# Altium PCB LimeNet-Micro_2v1.PcbDoc (part 7 of 11)
Units mm, origin at the board's own origin, x right, y up, seen from the top; angles counter-clockwise.
Board outline 75 x 143 mm, 6 copper layers (Top, L2, L3, L4, L5, Bottom), stack 1.583 mm thick; 795 components, 565 nets, 3646 pads, 1420 vias.
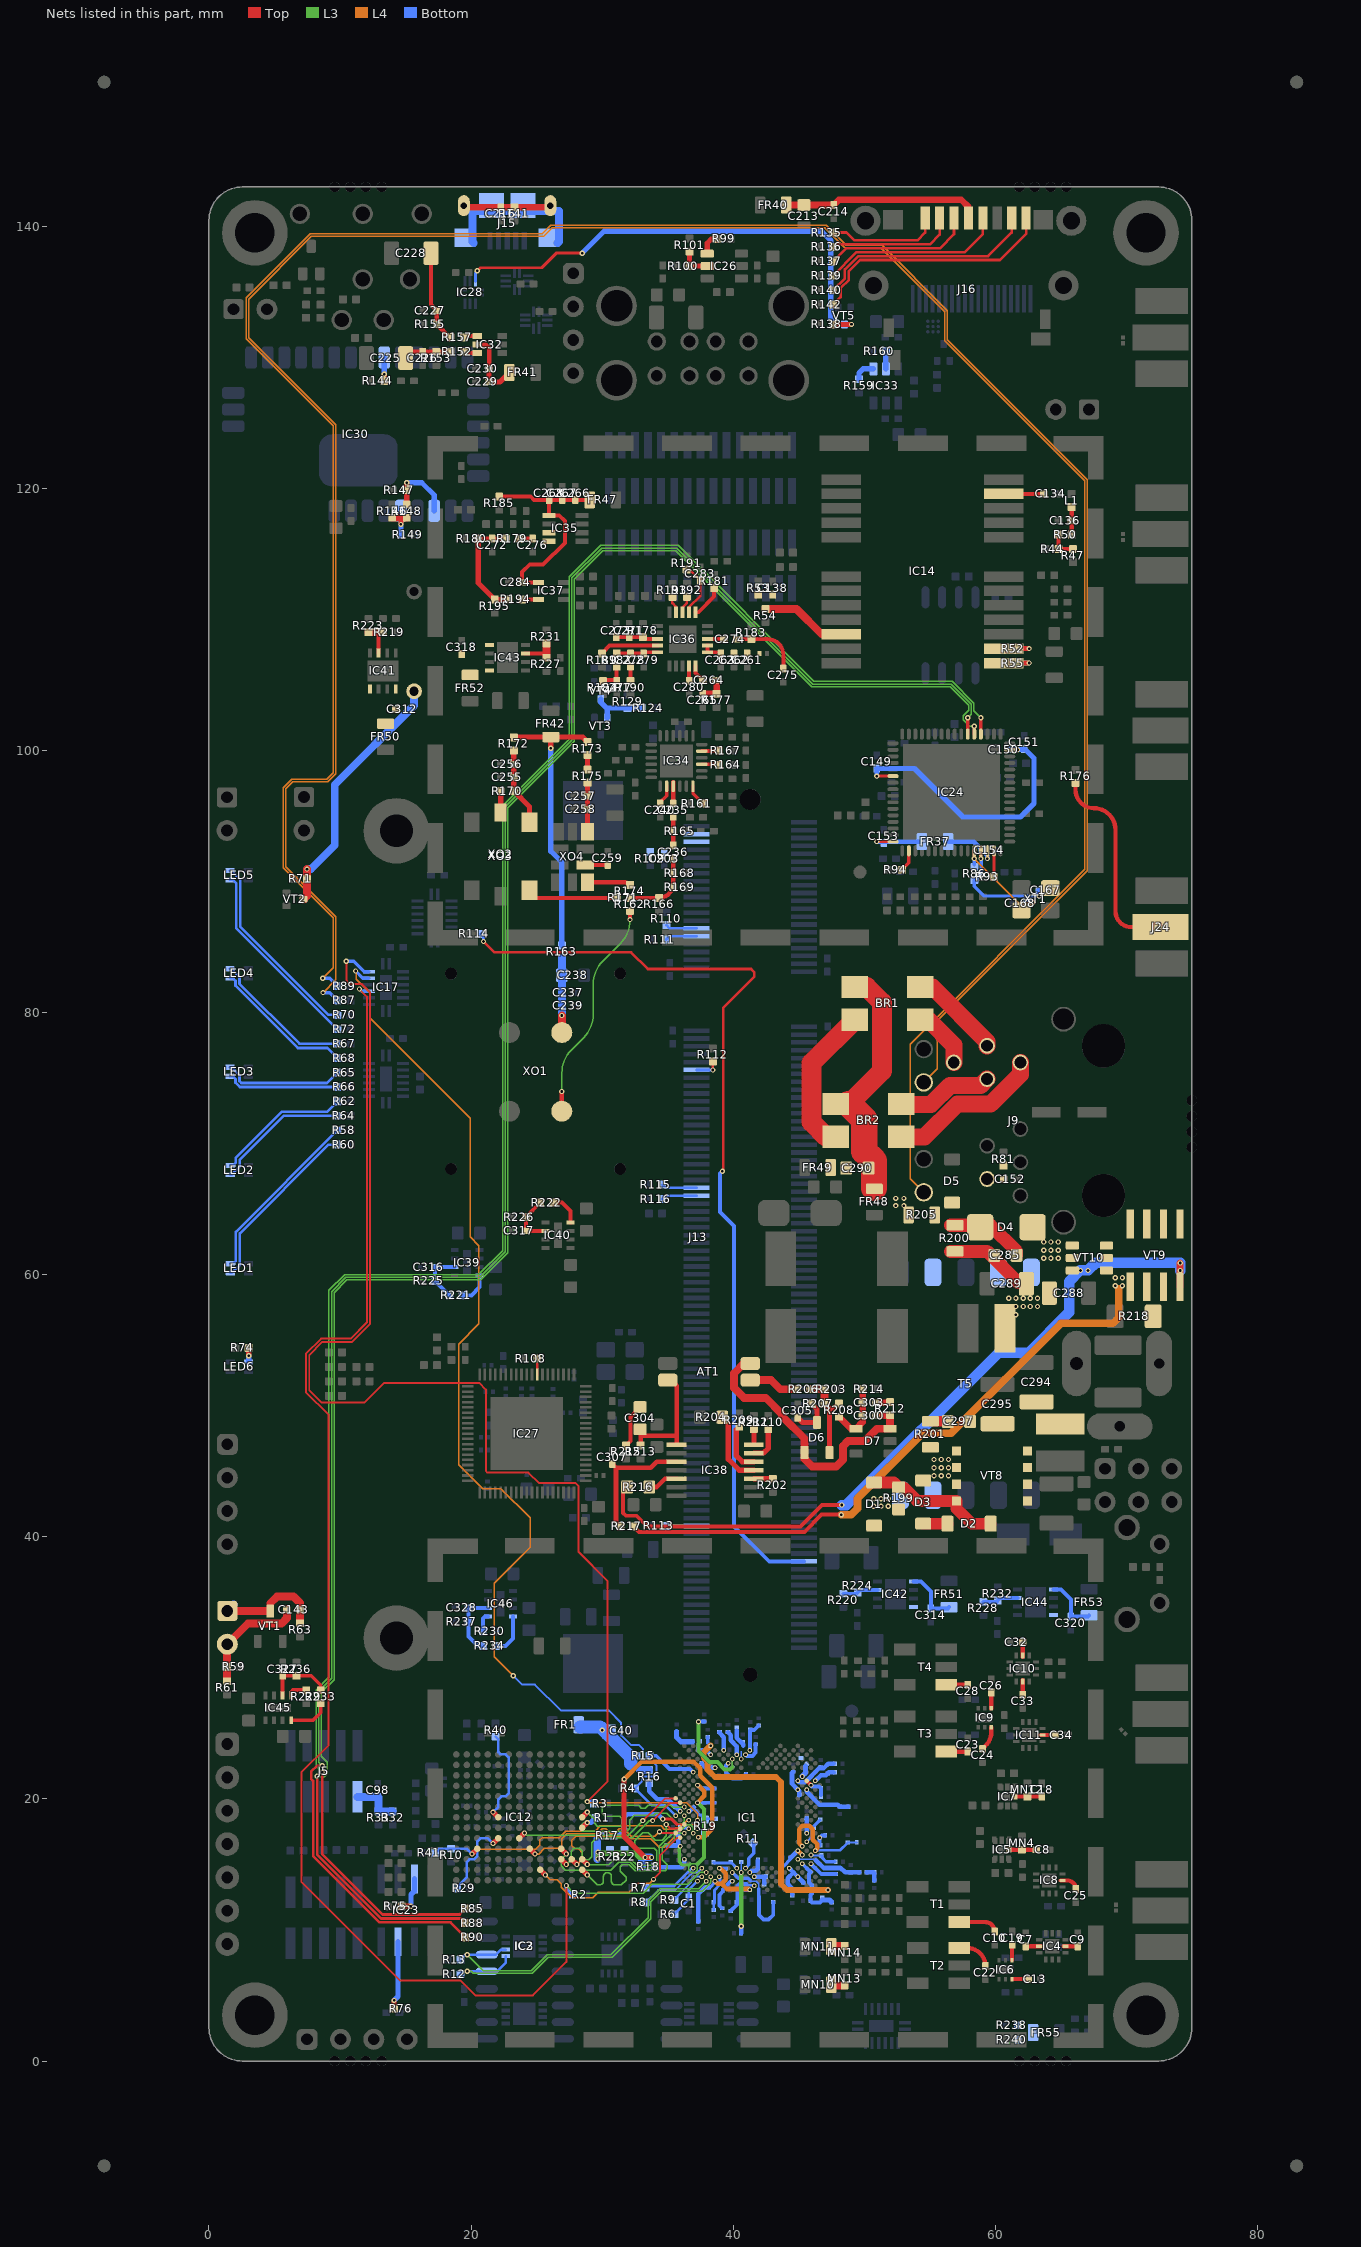
[diagram p11: the nets of this part, all layers, seen from the top]

## Via types
v1: diameter 0.4, hole 0.2, Top to Bottom, tented both sides, 1272 vias
v2: diameter 0.35, hole 0.2, Top to Bottom, tented both sides, 98 vias
v3: diameter 0.5, hole 0.2, Top to Bottom, tented bottom, 25 vias
v4: diameter 0.5, hole 0.2, Top to Bottom, tented both sides, 12 vias
v5: diameter 0.8, hole 0.4, Top to Bottom, tented both sides, 5 vias
v6: diameter 0.4, hole 0.2, Top to Bottom, tented top, 4 vias
v7: diameter 0.4, hole 0.2, Top to Bottom, tented bottom, 4 vias

## Nets (pads, with @x,y where several pads share a name; then routed paths per layer and width w, separated by ;. In a path a pad name is that pad's centre, name@x,y a point inside that pad or via, vN(x,y) a via of type N, cw(c..) or ccw(c..) an arc to the next point about the centre after c; other vN are vias at no path point) (continued)
LMS_DIQ2_D9: IC1.N33 IC12.J2 | length 14.4
  Top w0.15: v1@33.893,13.886 34.418,14.411 34.418,15.714 35.737,17.033 35.929,17.033 IC1.N33@35.946,17.05
  Top w0.4: IC12.J2@25.272,14.594 v1(25.672,14.194)
  L4 w0.1: v1(25.672,14.194) 26.047,13.819 26.564,13.819 26.872,13.511 26.872,13.277 27.705,12.444 29.265,12.444 29.697,12.875 32.066,12.875 32.772,13.581 33.644,13.581 v1@33.893,13.83
  other v1: 33.918,13.855
LMS_DIQ2_D10: IC1.P30 IC12.L4 | length 15
  Top w0.4: IC12.L4@26.872,16.194 v1(27.272,15.794)
  L3 w0.1: v1(27.272,15.794) 26.872,15.394 26.872,14.899 27.202,14.569 30.661,14.569 31.267,15.175 32.142,15.175 32.592,14.725 34.133,14.725 34.375,14.967 34.375,16.372 35.722,17.719 36.155,17.719 36.477,18.041 36.747,18.041 36.937,17.85 36.937,17.391 v2(36.945,17.383)
LMS_DIQ2_D11: IC1.P32 IC12.N2 | length 14.6
  Top w0.4: IC12.N2@28.472,14.594 v1(28.872,14.194)
  L3 w0.1: v1(28.872,14.194) 28.88,14.194 29.63,13.444 29.827,13.444 ccw(c29.827,13.717) 30.101,13.717 30.101,14.095 cw(c30.375,14.095) 30.375,14.369 30.435,14.369 cw(c30.435,14.095) 30.709,14.095 30.709,13.717 ccw(c30.983,13.717) 30.983,13.444 31.464,13.444 31.825,13.805 31.825,14.025 31.375,14.475 31.375,14.825 31.525,14.975 32.059,14.975 32.509,14.525 34.8,14.525 34.975,14.7 34.975,14.975 34.575,15.375 34.575,16.27 34.586,16.3 34.827,16.541 35.209,16.541 35.514,16.847 35.514,17.214 35.683,17.383 v2(36.279,17.383)
LMS_ENABLE_IQSEL1: IC1.Y32 IC12.N7 | length 13.2
  Top w0.4: IC12.N7@28.472,18.594 v1(28.872,18.994)
  L3 w0.1: v1(28.872,18.994) 29.422,18.444 29.422,18.128 29.631,17.919 31.394,17.919 31.6,18.125 31.6,18.425 31.35,18.675 30.25,18.675 30.025,18.9 30.025,19.325 30.219,19.519 32.784,19.519 33.003,19.3 33.291,19.3 33.51,19.519 34.034,19.519 34.172,19.381 34.684,19.381 34.822,19.519 35.234,19.519 35.372,19.381 v2(36.279,19.381)
LMS_ENABLE_IQSEL2: IC1.R33 IC12.N3 | length 14.5
  Top w0.15: v1(34.897,18.044) 35.192,17.749 35.895,17.749 35.904,17.758 IC1.R33@35.946,17.716
  Top w0.4: IC12.N3@28.472,15.394 v1(28.872,14.994)
  L3 w0.1: v1(28.872,14.994) 30.494,14.994 30.875,15.375 32.225,15.375 32.675,14.925 34.05,14.925 34.175,15.05 34.175,16.05 33.975,16.25 32.725,16.25 32.5,16.475 32.5,16.8 33.1,17.4 33.5,17.4 34.05,16.85 34.57,16.85 34.897,17.177 v1(34.897,18.044)
LMS_FCLK1: IC1.AA33 IC12.L3 | length 13.2
  Top w0.15: v1(33.847,18.344) 35.2,19.697 35.946,19.697 IC1.AA33@35.946,19.714
  Top w0.4: IC12.L3@26.872,15.394 v1(27.272,14.994)
  L3 w0.1: v1(27.272,14.994) 27.647,15.369 27.647,16.022 27.85,16.225 28.275,16.225 28.475,16.025 28.475,15.544 28.65,15.369 28.994,15.369 29.225,15.6 29.225,16.65 29.619,17.044 32.297,17.044 33.597,18.344 v1(33.847,18.344)
LMS_FCLK2: IC1.R29 IC12.M3 | length 14.3
  Top w0.4: IC12.M3@27.672,15.394 v1(28.072,14.994)
  L4 w0.1: v1(28.072,14.994) 28.497,15.419 28.497,15.894 28.197,16.194 27.947,16.194 27.697,16.444 27.697,16.844 27.997,17.144 31.931,17.144 32.123,16.952 33.714,16.952 34.372,16.294 34.722,16.294 35.556,17.127 35.556,17.41 35.729,17.583 35.971,17.583 36.429,18.041 37.158,18.041 37.278,17.921 v2(37.278,17.716)
LMS_I2C_SCL: IC1.C27 IC2.6 IC3.6 R13.2 | length 26.1
  L3 w0.1: v1@19.71,8.125 v1(19.7,8.115) 20.92,6.895 24.587,6.895 25.817,8.125 30.675,8.125 33.5,10.95 33.5,12.225 34.425,13.15 37.374,13.15 v2(37.944,13.72)
  Bottom w0.2: R13.2@19.2,7.74 19.575,8.115 v1(19.7,8.115) IC3.6@21.2,8.115 21.89,8.115 22.275,8.5 IC2.6@22.65,8.5
LMS_I2C_SDA: IC1.D26 IC2.5 IC3.5 R12.2 | length 27
  L3 w0.1: v1(19.7,6.845) 19.997,6.845 20.147,6.695 24.67,6.695 25.9,7.925 30.758,7.925 33.7,10.867 33.7,12.142 34.508,12.95 37.634,12.95 38.277,13.593 v2(38.277,14.053)
  Bottom w0.2: R12.2@19.2,6.62 19.425,6.845 v1(19.7,6.845) IC3.5@21.2,6.845 21.97,6.845 22.65,7.525 IC2.5@22.65,8
LMS_MCLK1: IC1.AB34 IC12.G5 | length 13.3
  Top w0.15: v1(33.097,18.344) 34.8,20.047 IC1.AB34@35.613,20.047
  Top w0.4: IC12.G5@23.672,16.994 v1(24.072,17.394)
  L3 w0.1: v1(24.072,17.394) 24.222,17.244 31.997,17.244 v1(33.097,18.344)
LMS_MCLK2: IC1.P34 IC12.H4 | length 13.2
  Top w0.15: v1(34.372,17.502) 34.491,17.383 IC1.P34@35.613,17.383
  Top w0.4: IC12.H4@24.472,16.194 v1(24.872,15.794)
  L4 w0.1: v1(24.872,15.794) 25.169,15.794 25.6,16.225 26.75,16.225 26.922,16.397 26.922,16.966 27.306,17.35 29.637,17.35 30.012,17.725 30.275,17.725 30.65,17.35 30.95,17.35 31.316,17.716 31.671,17.716 32.235,17.152 34.022,17.152 v1(34.372,17.502)
LMS_RESET: IC1.E27 IC17.4 R2.1 | length 117.2
  Top w0.15: v1(11.475,81.8) 12.05,81.225 12.05,56.354 10.82,55.123 8.548,55.123 7.4,53.975 7.4,51.025 9.125,49.3 9.125,24.108 7.05,22.033 7.05,13.664 14.564,6.15 19.175,6.15 20.325,5 24.714,5 27.272,7.558 v1(27.272,13.394)
  L3 w0.1: v1(27.272,13.394) 27.847,12.819 33.144,12.819 33.8,13.475 36.55,13.475 37.461,14.386 v2(37.944,14.386)
  Bottom w0.25: v1(11.475,81.8) 11.65,81.625 IC17.4@12.208,81.625
  Bottom w0.3: v1(27.272,13.394) 27.272,13.194 R2.1@27.772,12.694
LMS_RXEN: IC1.V34 IC17.6 R4.2 | length 86
  L4 w0.1: v1(11.185,83.175) 11.225,83.135 11.225,82.545 12.3,81.47 12.3,79.575 19.925,71.95 19.925,62.88 20.6,62.205 20.6,56.25 19.05,54.7 19.05,45.497 20.872,43.675 22.272,43.675 24.5,41.447 24.5,39.198 21.775,36.473 21.775,30.85 v1(23.225,29.4)
  Bottom w0.15: v1(23.225,29.4) 23.9,28.725 24.871,28.725 26.846,26.75 30.493,26.75 31.45,25.793 31.45,24.855 32.182,24.123 32.777,24.123 33.122,23.778 33.122,22.944 33.316,22.75 33.925,22.75 34.15,22.525 34.15,21.897 33.947,21.694 33.225,21.694 33.031,21.5 33.031,21.328 R4.2@32.497,20.794
  Bottom w0.2: R4.2@32.497,20.794 33.772,19.519 34.809,19.519 v2(35.613,18.715)
  Bottom w0.25: v1(11.185,83.175) 11.735,82.625 IC17.6@12.208,82.625
LMS_TXEN: IC1.U29 IC17.7 R3.2 | length 103.2
  Top w0.15: v1(10.475,83.925) 10.475,82.475 10.775,82.175 11.675,82.175 12.3,81.55 12.3,56.25 10.923,54.873 8.652,54.873 7.65,53.871 7.65,51.178 8.588,50.24 11.855,50.24 13.365,51.75 20.478,51.75 20.605,51.75 21.125,51.23 21.125,45.025 21.25,44.9 24.379,44.9 25.186,44.093 27.982,44.093 28.2,43.875 28.2,38.84 30.4,36.64 30.4,21.322 v1(28.872,19.794)
  L4 w0.1: v1(28.872,19.794) 28.96,19.706 36.443,19.706 37.278,18.871 v2(37.278,18.382)
  Bottom w0.25: v1(10.475,83.925) 11.036,83.925 11.836,83.125 IC17.7@12.208,83.125
  Bottom w0.3: v1(28.872,19.794) R3.2@29.372,19.794
LMS_TXNRX1: IC1.V32 IC12.N6 R1.1 | length 12
  Top w0.4: IC12.N6@28.472,17.794 v1(28.872,18.194)
  L3 w0.1: v1(28.872,18.194) 28.597,18.194 28.372,17.969 28.372,17.669 28.522,17.519 31.872,17.519 32.097,17.744 32.097,18.389 32.452,18.744 33.922,18.744 34.072,18.894 34.922,18.894 35.759,18.057 36.085,18.057 36.271,18.243 36.271,18.707 v2(36.279,18.715)
  Bottom w0.4: v1(28.872,18.194) 29.147,18.194 R1.1@29.497,18.544
LMS_TXNRX2: IC1.U31 IC12.C4 R10.1 R41.2 | length 21.7
  Top w0.4: v1(20.072,15.794) IC12.C4@20.472,16.194
  L4 w0.1: v1(20.072,15.794) 20.453,16.175 24.948,16.175 25.25,16.477 25.25,16.869 25.425,17.044 26.719,17.044 26.722,17.047 26.722,17.049 27.223,17.55 29.475,17.55 29.858,17.933 34.492,17.933 34.731,17.694 35.557,17.694 35.646,17.783 35.888,17.783 36.487,18.382 v2(36.612,18.382)
  Bottom w0.15: v2@36.595,18.365 v2(36.612,18.382)
  Bottom w0.2: R41.2@17.272,15.894 17.572,16.194 19.672,16.194 v1(20.072,15.794)
NetAT1_1: AT1.1 R206.2 | length 3.6
  Top w0.6: AT1.1@41.55,51.955 42.893,51.955 43.588,51.26 R206.2@44.875,51.26
NetAT1_2: AT1.2 C300.2 D6.A D7.3 R212.1 | length 22.1
  Top w0.5: C300.2@50.875,49.225 51.925,49.225 R212.1@51.975,49.275
  Top w0.6: AT1.2@41.55,53.225 AT1.2@41.3,53.225 40.815,53.225 40.075,52.485 40.075,51.35 40.825,50.6 42.482,50.6 43.725,49.357 43.725,49.2 45.45,47.475 D6.A@45.45,46.425 45.45,45.936 46.023,45.363 47.863,45.363 48.375,45.875 48.375,46.92 48.767,47.312 50.043,47.312 50.981,48.25 D7.3@51.975,48.25 R212.1@51.975,49.175
NetBR1_1: BR1.1 BR2.1 C290.1 FR48.1 | length 19.6
  Top w1.5: BR2.1@47.831,73.025 48.825,73.025 51.35,75.55 51.35,80.787 50.187,81.95 BR1.1@49.275,81.95
  Top w2: BR2.1@48.825,73.025 50,71.85 50,69.425 50.75,68.675 FR48.1@50.75,66.625
NetBR1_3: BR1.3 BR2.3 C290.2 FR49.1 | length 11.5
  Top w1.5: BR2.3@47.831,70.525 47.1,70.525 45.981,71.644 45.981,76.156 BR1.3@49.275,79.45
NetC1_1: C1.1 IC1.C29 R6.1 | length 3.2
  Bottom w0.2: R6.1@35.507,11.224 36.603,12.32 36.603,13.045 v2(37.278,13.72)
NetC7_2: C7.2 IC4.2 | length 1.1
  Top w0.325: C7.2@62.325,8.75 IC4.2@63.35,8.75 IC4.2@63.475,8.75
NetC8_2: C8.2 IC5.6 MN4.2 | length 2.1
  Top w0.325: IC5.6@61.075,16.125 MN4.2@62.025,16.125 C8.2@63.125,16.125
NetC9_2: C9.2 IC4.8 | length 1
  Top w0.325: IC4.8@65.225,8.75 IC4.8@65.35,8.75 C9.2@66.275,8.75
NetC10_2: C10.2 T1.3 | length 3
  Top w0.325: T1.3@57.391,10.604 59.221,10.604 cw(c59.221,9.875) C10.2@59.95,9.875
NetC13_2: C13.2 IC6.3 | length 1.2
  Top w0.325: IC6.3@61.325,6.25 C13.2@62.5,6.25
NetC18_2: C18.2 IC7.6 MN12.2 | length 2
  Top w0.325: IC7.6@61.503,20.18 C18.2@63.553,20.18
NetC19_2: C19.2 IC6.4 | length 1.2
  Top w0.325: IC6.4@61.275,7.7 61.275,8.873 C19.2@61.277,8.875
NetC22_2: C22.2 T2.1 | length 2.6
  Top w0.325: T2.1@57.251,8.619 T2.1@57.731,8.619 ; T2.1@57.881,8.619 cw(c57.881,7.25) C22.2@59.25,7.25
NetC23_2: C23.2 T3.3 | length 1.6
  Top w0.325: T3.3@56.271,23.608 57.881,23.608 C23.2@57.881,23.625
NetC24_2: C24.2 IC9.3 | length 1.8
  Top w0.325: C24.2@59.025,23.825 C24.2@59.258,24.058 ; C24.2@59.257,24.058 ccw(c58.188,25.127) 59.7,25.127 IC9.3@59.7,25.452
NetC25_2: C25.2 IC8.5 | length 1.5
  Top w0.325: IC8.5@65,13.775 IC8.5@65.125,13.775 65.5,13.775 cw(c65.5,13.125) C25.2@66.15,13.125
NetC26_2: C26.2 IC9.4 | length 1.2
  Top w0.325: IC9.4@59.7,26.902 C26.2@59.7,28.125
NetC28_2: C28.2 T4.3 | length 1.6
  Top w0.325: T4.3@56.271,28.708 57.9,28.708 C28.2@57.9,28.7
NetC32_2: C32.2 IC10.2 | length 1.1
  Top w0.325: IC10.2@62.1,30.825 IC10.2@62.1,30.95 C32.2@62.1,31.95
NetC33_2: C33.2 IC10.8 | length 1.1
  Top w0.325: C33.2@62.1,27.95 IC10.8@62.1,28.95 IC10.8@62.1,29.075
NetC34_2: C34.2 IC11.5 | length 1
  Top w0.325: IC11.5@63.475,24.875 IC11.5@63.6,24.875 C34.2@64.525,24.875
NetC39_1: C39.1 IC1.D24 R14.1 | length 2.7
  Bottom w0.22: R14.1@38.512,11.534 C39.1@38.512,12.049 ; C39.1@38.562,12.049 38.562,13.029 38.995,13.462 38.995,14.001 v2(38.943,14.053)
NetC40_2: C40.2 FR1.1 R15.1 R16.1 R17.1 R18.1 R19.1 | length 33.8
  Top w0.4: v1(31.675,21.5) 31.675,17.125 v1(33.275,15.525) v1(33.775,15.525)
  L3 w0.4: v1(29.675,15.425) v1(29.675,15.925) 29.75,15.85 32.52,15.85 32.845,15.525 v1(33.275,15.525) v1(33.775,15.525)
  L4 w0.35: v1(31.675,21.5) 33,22.825 36.975,22.825 37.475,22.325 37.475,21.775 38.4,20.85 38.4,17.725 37.744,17.069 v2(37.322,17.069)
  Bottom w0.6: v1@29.625,15.425 29.625,16.95 R17.1@29.797,17.122 ; 32.897,22.194 R16.1@33.597,22.194 ; R18.1@33.017,14.839 33.017,15.267 v1(33.275,15.525) 33.3,15.55 v1@33.675,15.55
  Bottom w1: FR1.1@28.3,25.5 29.85,25.5 30.379,24.972 32.184,23.166 32.184,22.681
  other v1: 30,25.25
NetC41_1: C41.1 C42.1 IC1.W31 R19.2 | length 2.6
  Bottom w0.2: R19.2@37.882,18.424 37.957,18.499 C42.1@38.577,18.499
  Bottom w0.25: C41.1@36.98,19.351 36.98,19.245 37.456,18.769 37.562,18.769 37.882,18.449 R19.2@37.882,18.424
  Bottom w0.3: v2(36.612,19.048) 36.677,19.048 C41.1@36.98,19.351
NetC43_1: C43.1 C44.1 IC1.H32 R18.2 | length 2.7
  Bottom w0.35: R18.2@34.092,14.839 34.092,14.789 C43.1@34.947,14.789 C44.1@35.822,14.789 36.067,14.789 36.279,15.001 v2(36.279,15.385)
NetC45_1: C45.1 C46.1 IC1.T32 R17.2 | length 6.9
  Top w0.11: 35.692,18.049 IC1.T32@36.279,18.049
  Top w0.25: v1@34.672,18.469 35.272,18.469 35.692,18.049
  Bottom w0.35: R17.2@30.872,17.219 31.292,17.219 31.667,17.594 31.667,18.564 31.947,18.844 34.247,18.844 v1(34.622,18.469)
NetC47_1: C47.1 C48.1 IC1.W33 R16.2 | length 3.6
  Bottom w0.35: R16.2@33.597,21.194 33.597,20.58 34.202,19.975 C48.1@34.941,19.975 35.019,19.975 v2(35.946,19.048)
NetC49_1: C49.1 C50.1 IC1.AH30 R15.2 | length 3.8
  Bottom w0.3: R15.2@33.622,23.294 34.13,23.294 35.15,22.274 C50.1@35.552,22.274 C49.1@36.322,22.274 36.716,22.274 v2(36.945,22.045)
NetC51_1: C51.1 FR2.1 IC1.G3 | length 2.2
  Bottom w0.3: v2(45.936,15.052) 45.936,15.037 46.718,14.254 FR2.1@47.831,14.254
NetC52_1: C52.1 FR9.1 IC1.E21 | length 7.1
  Bottom w0.11: 41.353,13.743 41.379,13.717 41.744,13.717 41.95,13.51 41.95,13.125
  Bottom w0.25: v2(39.942,14.386) 40.39,13.937 41.158,13.937 ; 41.133,13.937 41.328,13.743
  Bottom w0.3: 41.95,13.125 41.95,12.575 41.961,12.564 41.961,11.146 42.325,10.783 42.697,10.783 43.056,11.141 FR9.1@43.056,12.123
NetC53_1: C53.1 FR8.1 IC1.D16 | length 1.3
  Bottom w0.35: v2@41.606,14.055 FR8.1@42.484,14.055 ; C53.1@42.384,13.56 FR8.1@42.384,13.98
  other v2: 41.607,14.053
NetC54_1: C54.1 FR7.1 IC1.E17 | length 1.4
  Bottom w0.35: v2(41.274,14.386) 41.394,14.505 41.709,14.505 41.876,14.673 C54.1@41.876,15.303
NetC55_1: C55.1 FR6.1 IC1.AK22 | length 2.6
  Bottom w0.3: v2(39.609,22.711) 39.444,22.546 39.444,22.027 39.502,21.969 39.93,21.541 40.639,21.541 FR6.1@40.992,21.894
NetC56_1: C56.1 FR5.1 IC1.AM18 | length 1.6
  Bottom w0.31: v2(40.941,23.377) 41.044,23.274 41.457,23.274 41.707,23.524 FR5.1@41.707,24.169
NetC57_1: C57.1 FR4.2 IC1.AE3 IC1.AF4 | length 1.9
  Top w0.3: IC1.AF4@45.603,21.379 v2(45.936,21.046)
  Bottom w0.3: v2(45.936,21.046) 46.029,20.953 46.551,20.953 C57.1@46.701,20.803 FR4.2@46.701,20.278
NetC58_1: C58.1 FR3.2 IC1.N1 | length 1.1
  Bottom w0.3: C58.1@46.602,16.449 v2(46.602,17.05) 46.764,17.212 FR3.2@47.025,17.212
NetC59_1: C59.1 FR11.1 IC1.AM26 | length 1.8
  Bottom w0.25: C59.1@37.312,23.744 37.312,24.209 FR11.1@37.447,24.344
  Bottom w0.3: C59.1@37.312,23.744 37.91,23.744 v2(38.277,23.377)
NetC60_1: C60.1 FR10.2 IC1.H6 | length 5.1
  Bottom w0.11: v2(44.937,15.385) 46.239,15.385 46.313,15.311
  Bottom w0.35: 46.313,15.311 46.896,14.728 48.176,14.728 48.551,14.403 FR10.2@49.626,14.403
NetC61_1: C61.1 FR11.2 R21.2 | length 1.8
  Bottom w0.4: R21.2@35.682,25.119 35.682,24.709 36.037,24.354 FR11.2@36.887,24.354
NetC62_1: C62.1 FR10.1 R20.1 | length 1.2
  Bottom w0.35: FR10.1@50.186,14.403 50.676,14.403 50.772,14.307 R20.1@50.772,13.774
NetC63_1: C63.1 C64.1 C70.1 C71.1 C72.1 C73.1 C74.1 C75.1 IC1.AA29 IC1.AE29 IC1.L33 IC1.R31 R22.2 R23.2 | length 17.1
  L3 w0.11: 36.61,14.95 36.61,14.565 36.825,14.35 37.075,14.35 37.275,14.55 37.275,15.025 ; 36.712,15.052 37.302,15.052
  L3 w0.25: v2(35.946,16.384) 35.875,16.313 35.875,15.2 36.125,14.95 36.61,14.95 36.712,15.052
  L3 w0.3: 37.275,15.025 37.775,15.525 37.775,19.217 v2(37.278,19.714)
  L4 w0.35: v2(37.278,19.714) 37.8,20.236 37.8,20.575 37.329,21.046 v2(37.278,21.046)
  Bottom w0.23: C75.1@35.956,17.773 36.555,17.773 v2(36.612,17.716)
  Bottom w0.3: v2(37.278,21.046) 37.52,20.804 C71.1@38.557,20.804 ; v2@37.288,19.704 C73.1@37.782,19.704 C72.1@38.557,19.704
  Bottom w0.35: C63.1@34.947,16.424 35.597,16.424 v2@35.906,16.424 ; C75.1@35.922,17.694 35.807,17.579 35.807,16.523 v2@35.906,16.424 ; v2(35.946,16.384) v2@35.906,16.424
NetC65_1: C65.1 C66.1 C67.1 FR14.1 IC1.A17 IC1.C25 IC1.F24 | length 9.2
  L4 w0.35: v2(38.61,13.72) 38.805,13.525 39.125,13.525 ; v2(38.943,14.719) 39.031,14.719 39.425,14.325 39.425,13.825 39.125,13.525 ; v2(41.274,13.054) 41.203,13.125 39.525,13.125 39.125,13.525
  Bottom w0.25: C65.1@38.232,13.254 38.61,13.632 v2(38.61,13.72)
  Bottom w0.3: v2(38.943,14.719) 38.979,14.683 C66.1@39.406,14.683
  Bottom w0.35: FR14.1@37.347,10.644 37.347,12.744 37.857,13.254 C65.1@38.132,13.254 ; C67.1@40.76,13.054 v2(41.274,13.054)
NetC68_2: C68.2 FR13.1 IC1.M4 | length 2.1
  Bottom w0.17: v2(45.603,16.717) 45.966,17.08 45.966,17.588 45.986,17.608
  Bottom w0.25: 46.006,17.588 46.006,17.768 FR13.1@46.63,18.392
NetC69_1: C69.1 FR12.1 IC1.AL21 | length 7.2
  L3 w0.11: 39.942,22.442 v2(39.942,23.044)
  L3 w0.3: v1(37.35,25.89) 37.35,23.65 38.2,22.8 38.431,22.8 38.434,22.803 38.797,22.803 39.35,22.25 39.75,22.25 39.942,22.442
  Bottom w0.11: C69.1@39.924,22.417 39.939,22.432 39.939,23.041 v2(39.942,23.044)
  Bottom w0.3: v1(37.35,25.89) FR12.1@37.8,25.89
NetC76_1: C76.1 IC1.G5 R24.1 | length 2.1
  Bottom w0.3: v2(45.27,15.052) C76.1@45.909,14.413 45.775,14.279 45.775,13.861 45.78,13.856 45.78,13.634 R24.1@46.006,13.408
NetC77_1: C77.1 FR17.1 IC1.P4 | length 1.1
  Bottom w0.35: v2(45.603,17.383) 45.606,17.386 C77.1@45.606,17.903 FR17.1@45.606,18.523
NetC78_1: C78.1 FR28.1 IC1.D6 IC1.F8 | length 3.6
  Bottom w0.35: v2(44.271,14.719) 44.604,14.386 ; FR28.1@44.522,12.674 44.522,12.993 44.522,13.156 44.179,13.499 44.179,13.508 44.154,13.533 44.154,13.936 44.604,14.386 ; C78.1@45.355,13.603 45.355,13.635 44.604,14.386
  other v2: 44.937,14.053
NetC79_1: C79.1 FR27.1 IC1.B16 | length 3.6
  Bottom w0.17: 41.006,13.503 41.095,13.414 41.58,13.414 v2(41.607,13.387)
  Bottom w0.2: v2(41.607,13.387) v2@41.649,13.345
  Bottom w0.3: FR27.1@39.806,11.433 40.311,11.938 40.311,12.078 40.311,13.338 40.476,13.503 41.006,13.503
NetC80_1: C80.1 FR26.1 IC1.E19 | length 5.5
  L3 w0.35: v1@40.583,10.275 40.608,10.3 v2(40.608,14.386)
  Bottom w0.11: v2(40.608,14.386) C80.1@40.608,15.199
  Bottom w0.35: FR26.1@40.605,9.75 v1@40.605,10.272
  other v1: 40.608,10.275
NetC81_2: C81.2 FR25.1 IC1.F20 | length 1.9
  Bottom w0.23: FR25.1@38.511,15.153 38.555,15.109 39.885,15.109 v2(40.275,14.719)
NetC82_1: C82.1 FR24.1 IC1.AJ25 | length 1.2
  Bottom w0.35: FR24.1@37.586,22.703 37.911,22.378 v2(38.61,22.378)
NetC83_1: C83.1 IC1.AP26 R25.1 | length 20.9
  L4 w0.45: v2@38.256,24.063 37.75,23.557 37.75,23.15 38.053,22.847 38.053,22.228 38.606,21.675 43.264,21.675 43.65,21.289 43.65,13.5 44.097,13.053 v1(47.231,13.053)
  Bottom w0.3: C83.1@38.057,24.719 38.057,24.263 v2(38.277,24.043) ; R25.1@46.786,13.053 v1(47.231,13.053)
NetC84_1: C84.1 FR22.1 IC1.AN23 | length 1.5
  Bottom w0.35: FR22.1@38.956,25.073 38.956,25.034 39.276,24.714 v2(39.276,23.71)
NetC85_1: C85.1 FR21.1 IC1.AM20 | length 2
  Bottom w0.35: FR21.1@39.606,25.073 39.806,24.873 39.806,24.478 40.281,24.003 C85.1@40.281,23.805 ; v2(40.275,23.377) 40.275,23.804 C85.1@40.277,23.805
NetC86_1: C86.1 FR20.1 IC1.AL19 | length 1.9
  Bottom w0.11: 40.607,23.649 v2(40.608,23.044)
  Bottom w0.35: 40.256,25.198 40.256,24.669 40.757,24.168 40.757,24.073
NetC87_1: C87.1 FR19.1 IC1.AG5 | length 0.8
  Bottom w0.4: v2@45.27,21.737 45.514,21.981 45.514,22.483
  other v2: 45.27,21.712
NetC88_2: C88.2 FR18.1 IC1.AD6 | length 2.1
  Bottom w0.35: FR18.1@44.581,22.073 44.487,21.979 44.487,21.163 v2(44.937,20.713) 45.031,20.619 C88.2@45.031,20.283
NetC89_1: C89.1 FR16.1 IC1.J3 | length 2.2
  Bottom w0.18: v2(45.936,15.718) 45.973,15.681 C89.1@46.779,15.681
  Bottom w0.25: C89.1@46.779,15.681 46.779,15.505 47.081,15.203 FR16.1@47.775,15.203
NetC90_2: C90.2 FR15.1 IC1.J5 IC1.K6 | length 2.3
  L4 w0.35: v2(44.937,16.051) v2(45.27,15.718)
  Bottom w0.25: FR15.1@43.656,14.908 43.886,14.908 44.356,15.378 C90.2@44.356,15.503
  Bottom w0.35: C90.2@44.356,15.503 44.389,15.503 v2(44.937,16.051)
NetC91_2: C91.2 FR23.1 R24.2 R25.2 | length 2.4
  Bottom w0.3: R24.2@46.006,12.798 45.886,12.678 C91.2@45.886,12.228 46.006,12.108 46.611,12.108 46.781,12.278
  Bottom w0.4: 46.781,12.278 47.347,12.278 FR23.1@47.5,12.125
NetC92_1: C92.1 FR29.1 IC1.K2 IC1.L5 | length 7.9
  L4 w0.35: v2(45.27,16.384) 45.025,16.629 45.025,17.7 45.275,17.95 45.8,17.95 46.075,17.675 46.075,16.881 46.4,16.556 46.4,16.182 v2(46.269,16.051)
  Bottom w0.17: C92.1@48.676,16.598 48.756,16.678 FR29.1@49.426,16.678
  Bottom w0.2: v2(46.269,16.051) v2@46.274,16.056
  Bottom w0.22: v2@46.274,16.081 48.159,16.081 C92.1@48.676,16.598
NetC93_1: C93.1 FR34.1 IC1.C21 | length 2.6
  Bottom w0.3: FR34.1@39.15,11.655 38.956,11.849 38.956,12.678 39.201,12.923 C93.1@39.201,12.978 39.201,13.096 39.824,13.72 v2(39.942,13.72)
NetC94_1: C94.1 FR33.1 IC1.AF6 | length 3.4